# Altium PCB SAMD20_Xplained_Pro.PcbDoc (part 1 of 3)
Units mm, origin at the board's own origin, x right, y up, seen from the top; angles counter-clockwise.
Board outline 60 x 100 mm, 4 copper layers (Top Layer LF-signals, GND, POWER, Bottom Layer LF-signals), stack 1.604 mm thick; 165 components, 137 nets, 712 pads, 237 vias.
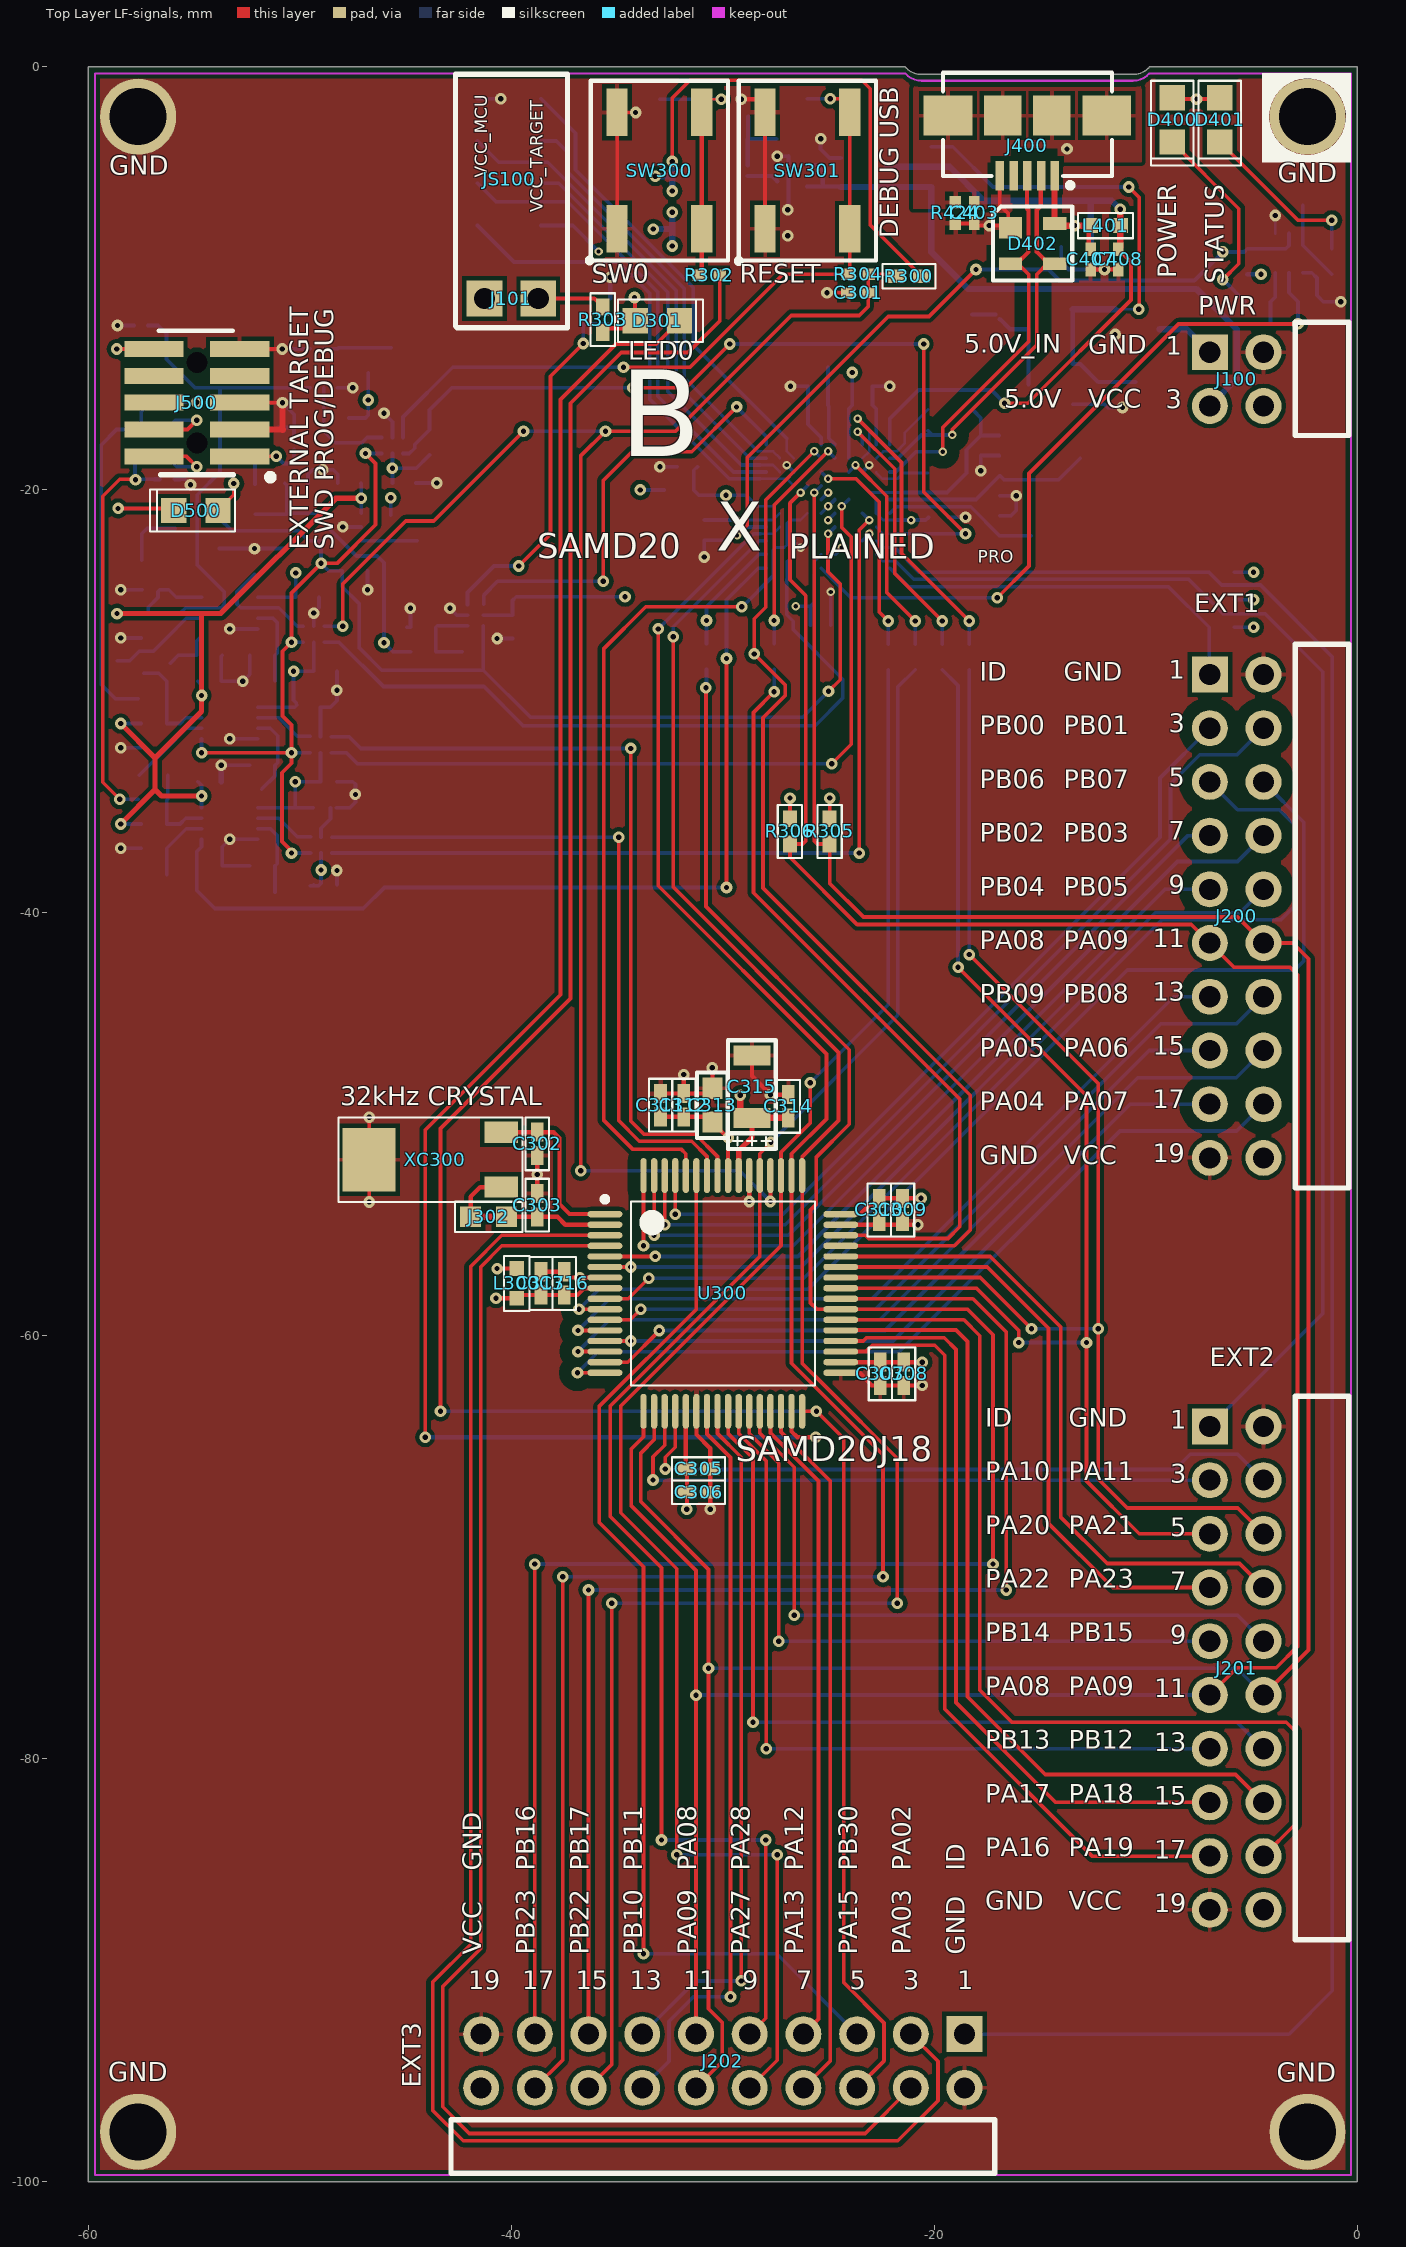
[diagram p0: Top Layer LF-signals view]
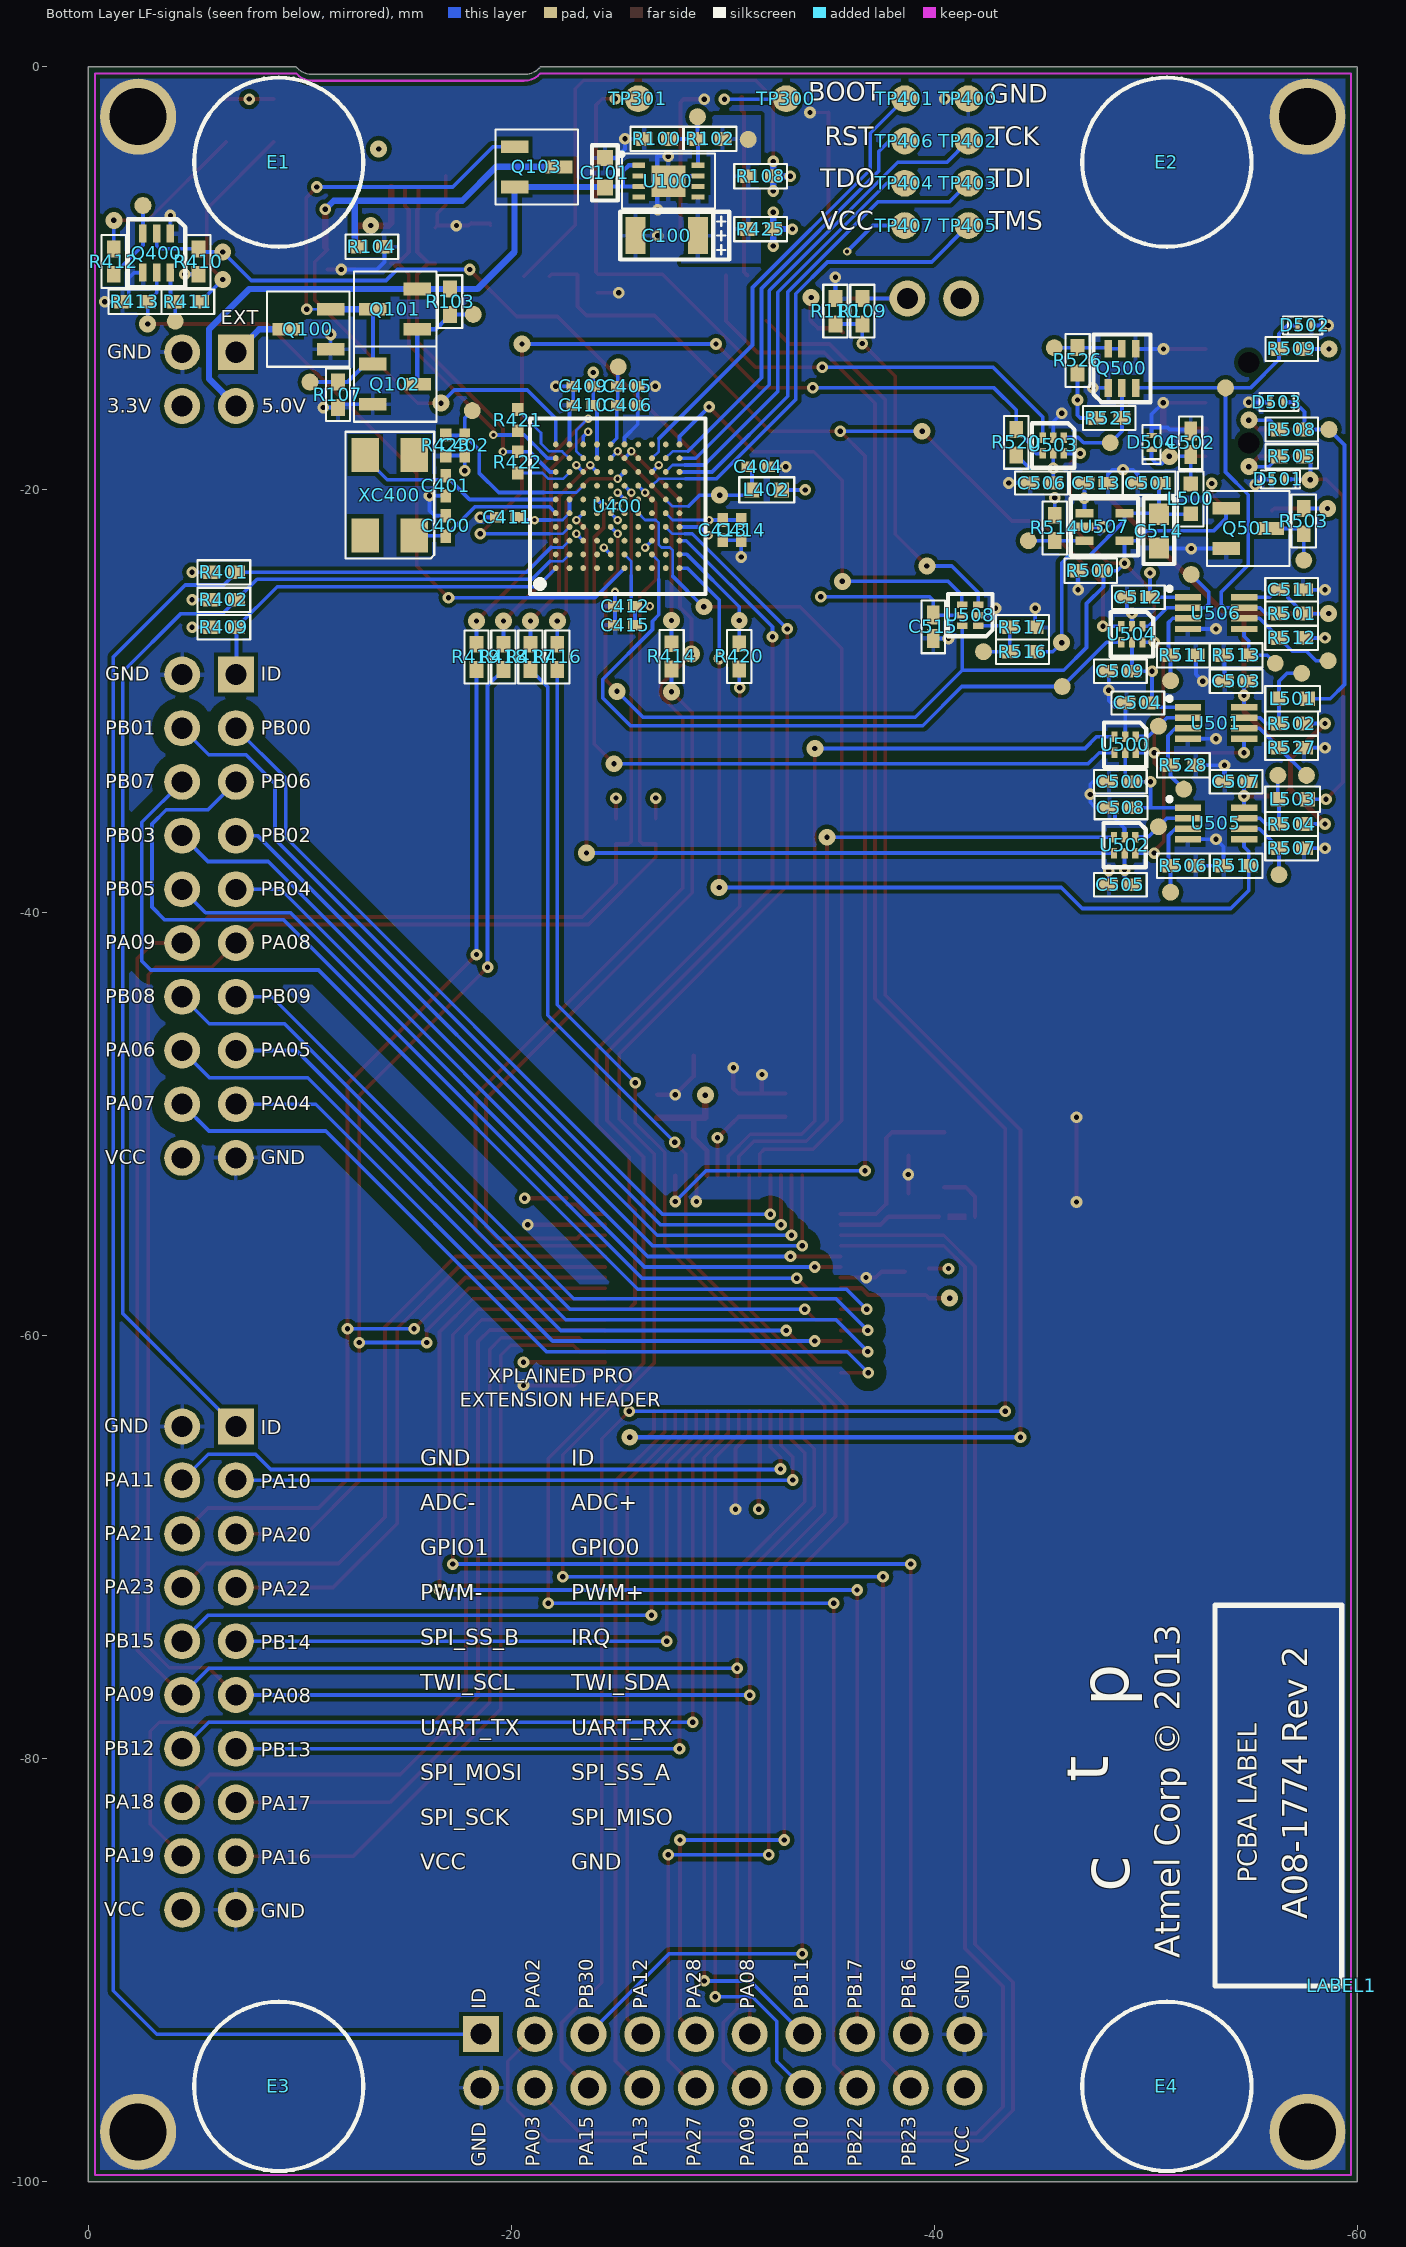
[diagram p1: Bottom Layer LF-signals view, seen from below]
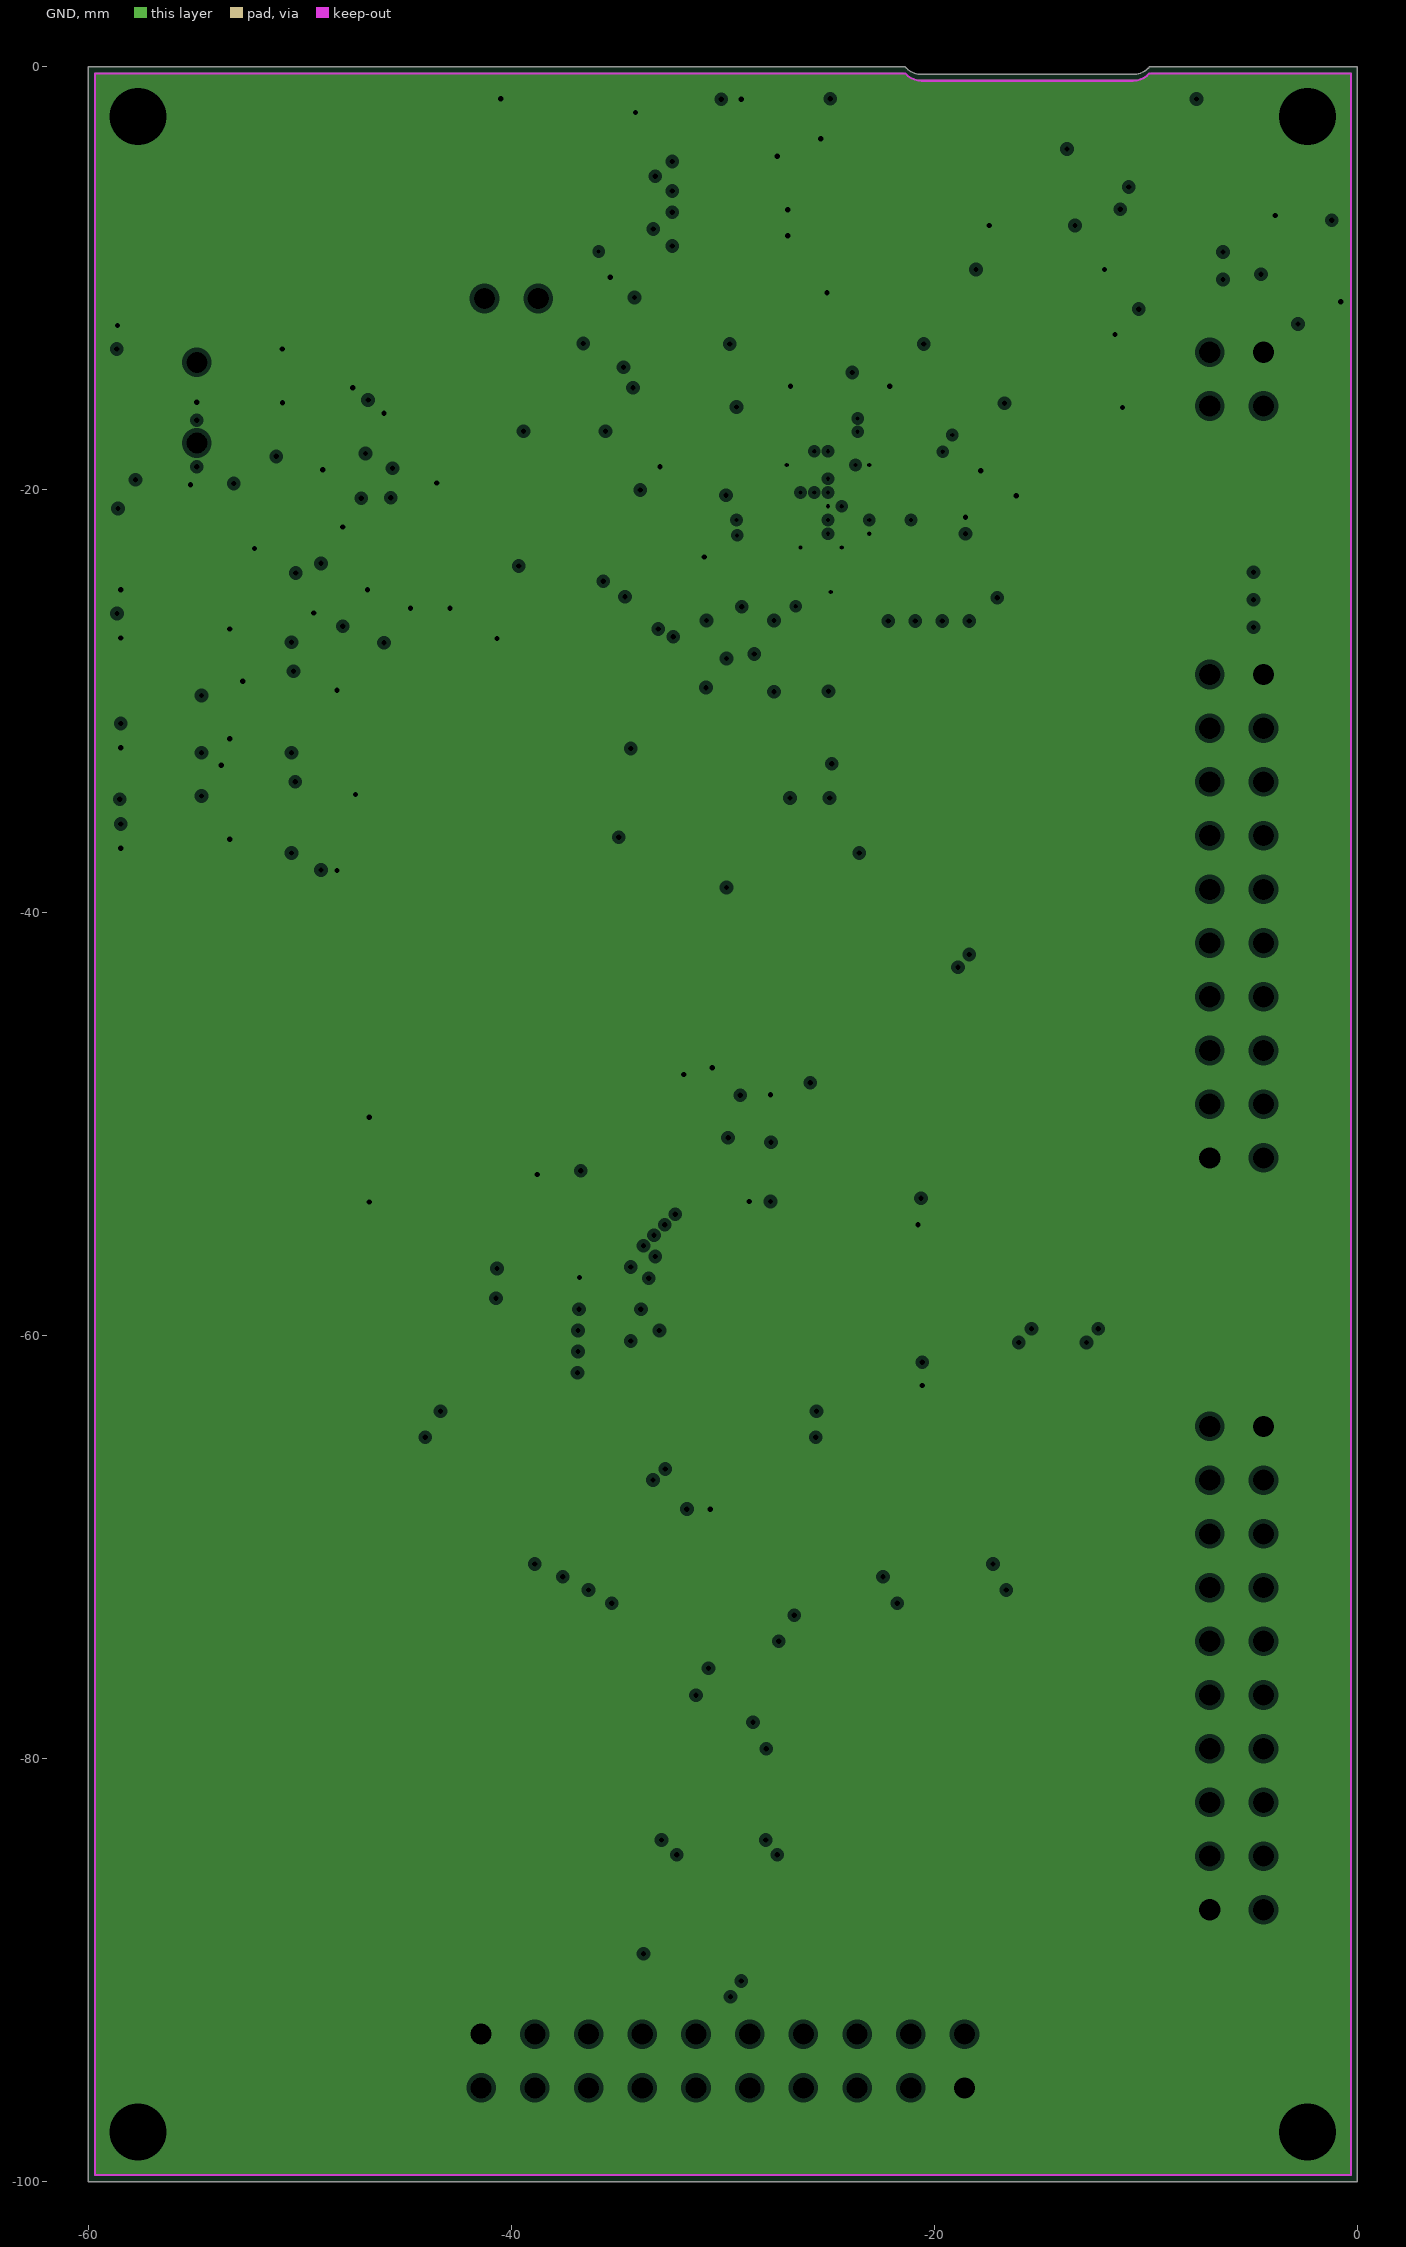
[diagram p2: GND, clearances drawn from the general rule]
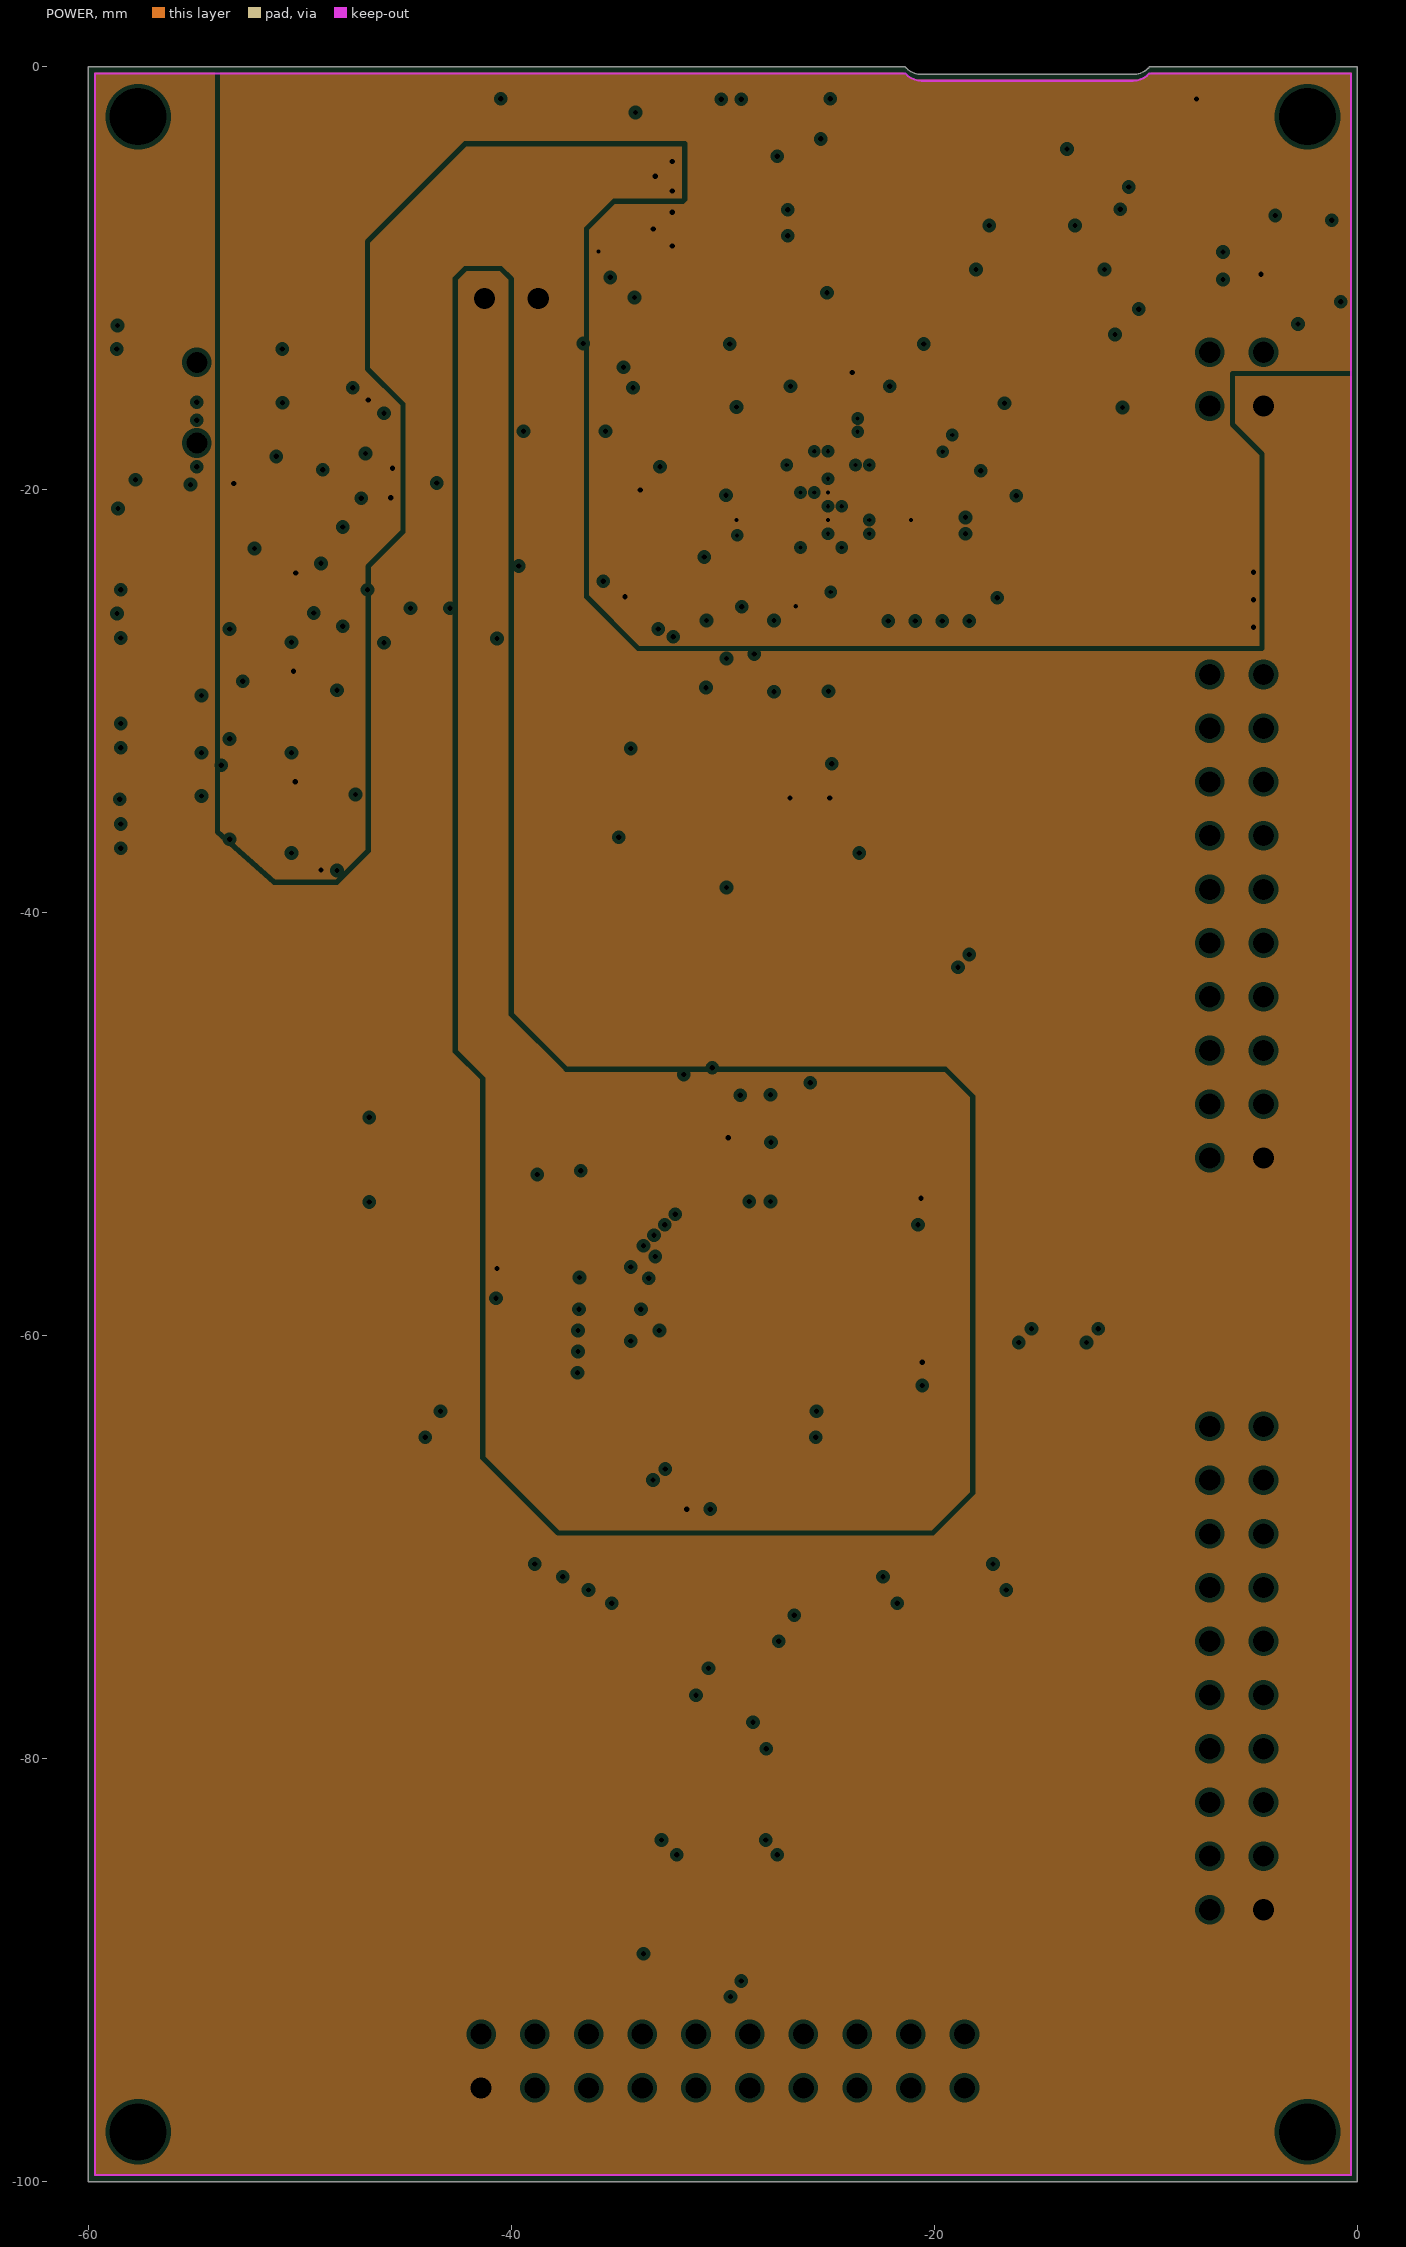
[diagram p3: POWER, clearances drawn from the general rule]
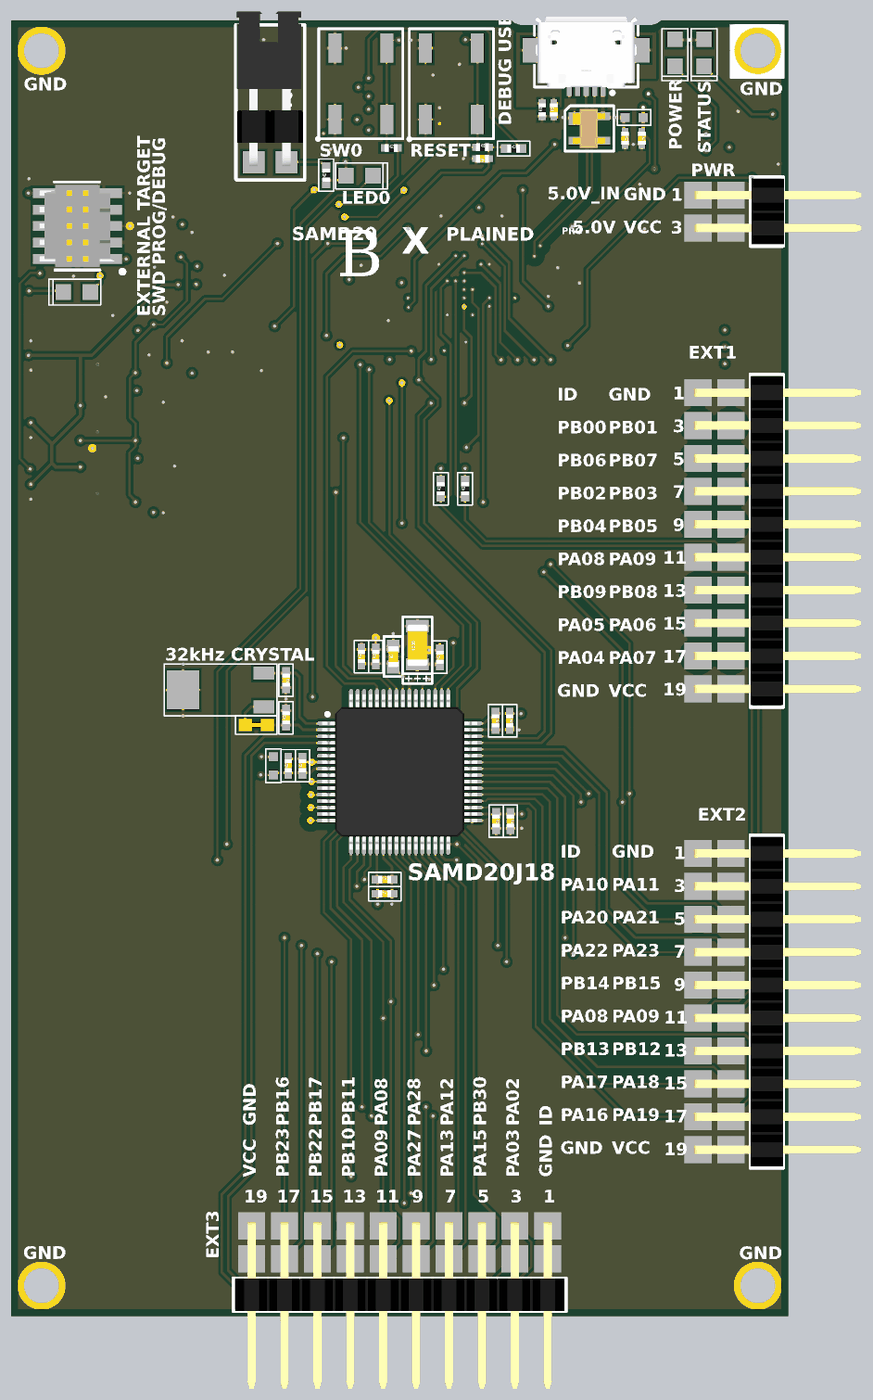
[diagram p6: 3D render of the assembled board from above, using the file's embedded part models]
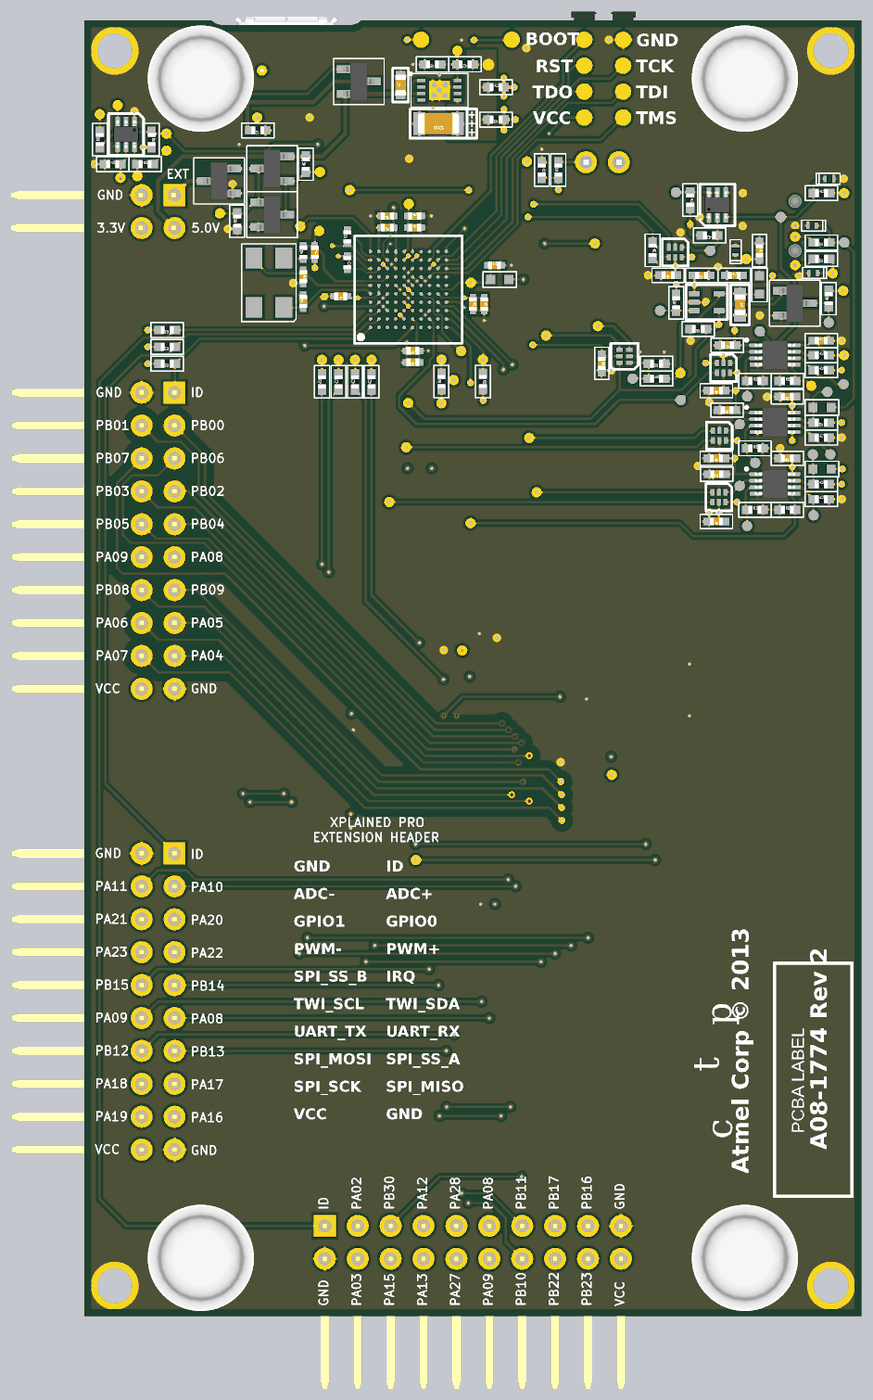
[diagram p7: 3D render of the assembled board from below, using the file's embedded part models]

## Layer stack, top to bottom
Top Solder: solder mask 0.0102, Solder Resist, Dk 3.5
Top Layer LF-signals: signal copper 0.049
Dielectric1: prepreg 0.118, FR-4, Dk 4.8
GND: plane copper 0.035, net GND
Dielectric2: core 1.2, FR-4, Dk 4.8
POWER: plane copper 0.035, net (Multiple Nets)
Dielectric3: prepreg 0.118, FR-4, Dk 4.8
Bottom Layer LF-signals: signal copper 0.049
Bottom Solder: solder mask 0.0102, Solder Resist, Dk 3.5

## Board outline
-60,-100 -60,0 -21.375,0 -21.375,-0.001 ccw(c-20.6,0.686) -20.6,-0.35 -10.6,-0.35 ccw(c-10.6,0.686) -9.825,-0.001 -9.825,0 0,0 0,-100
